# Allegro board 1156197-TDI_VU3P_QSFP28_CXP_V001_1023A-166-20241121_1644_PCB.brd (continued)
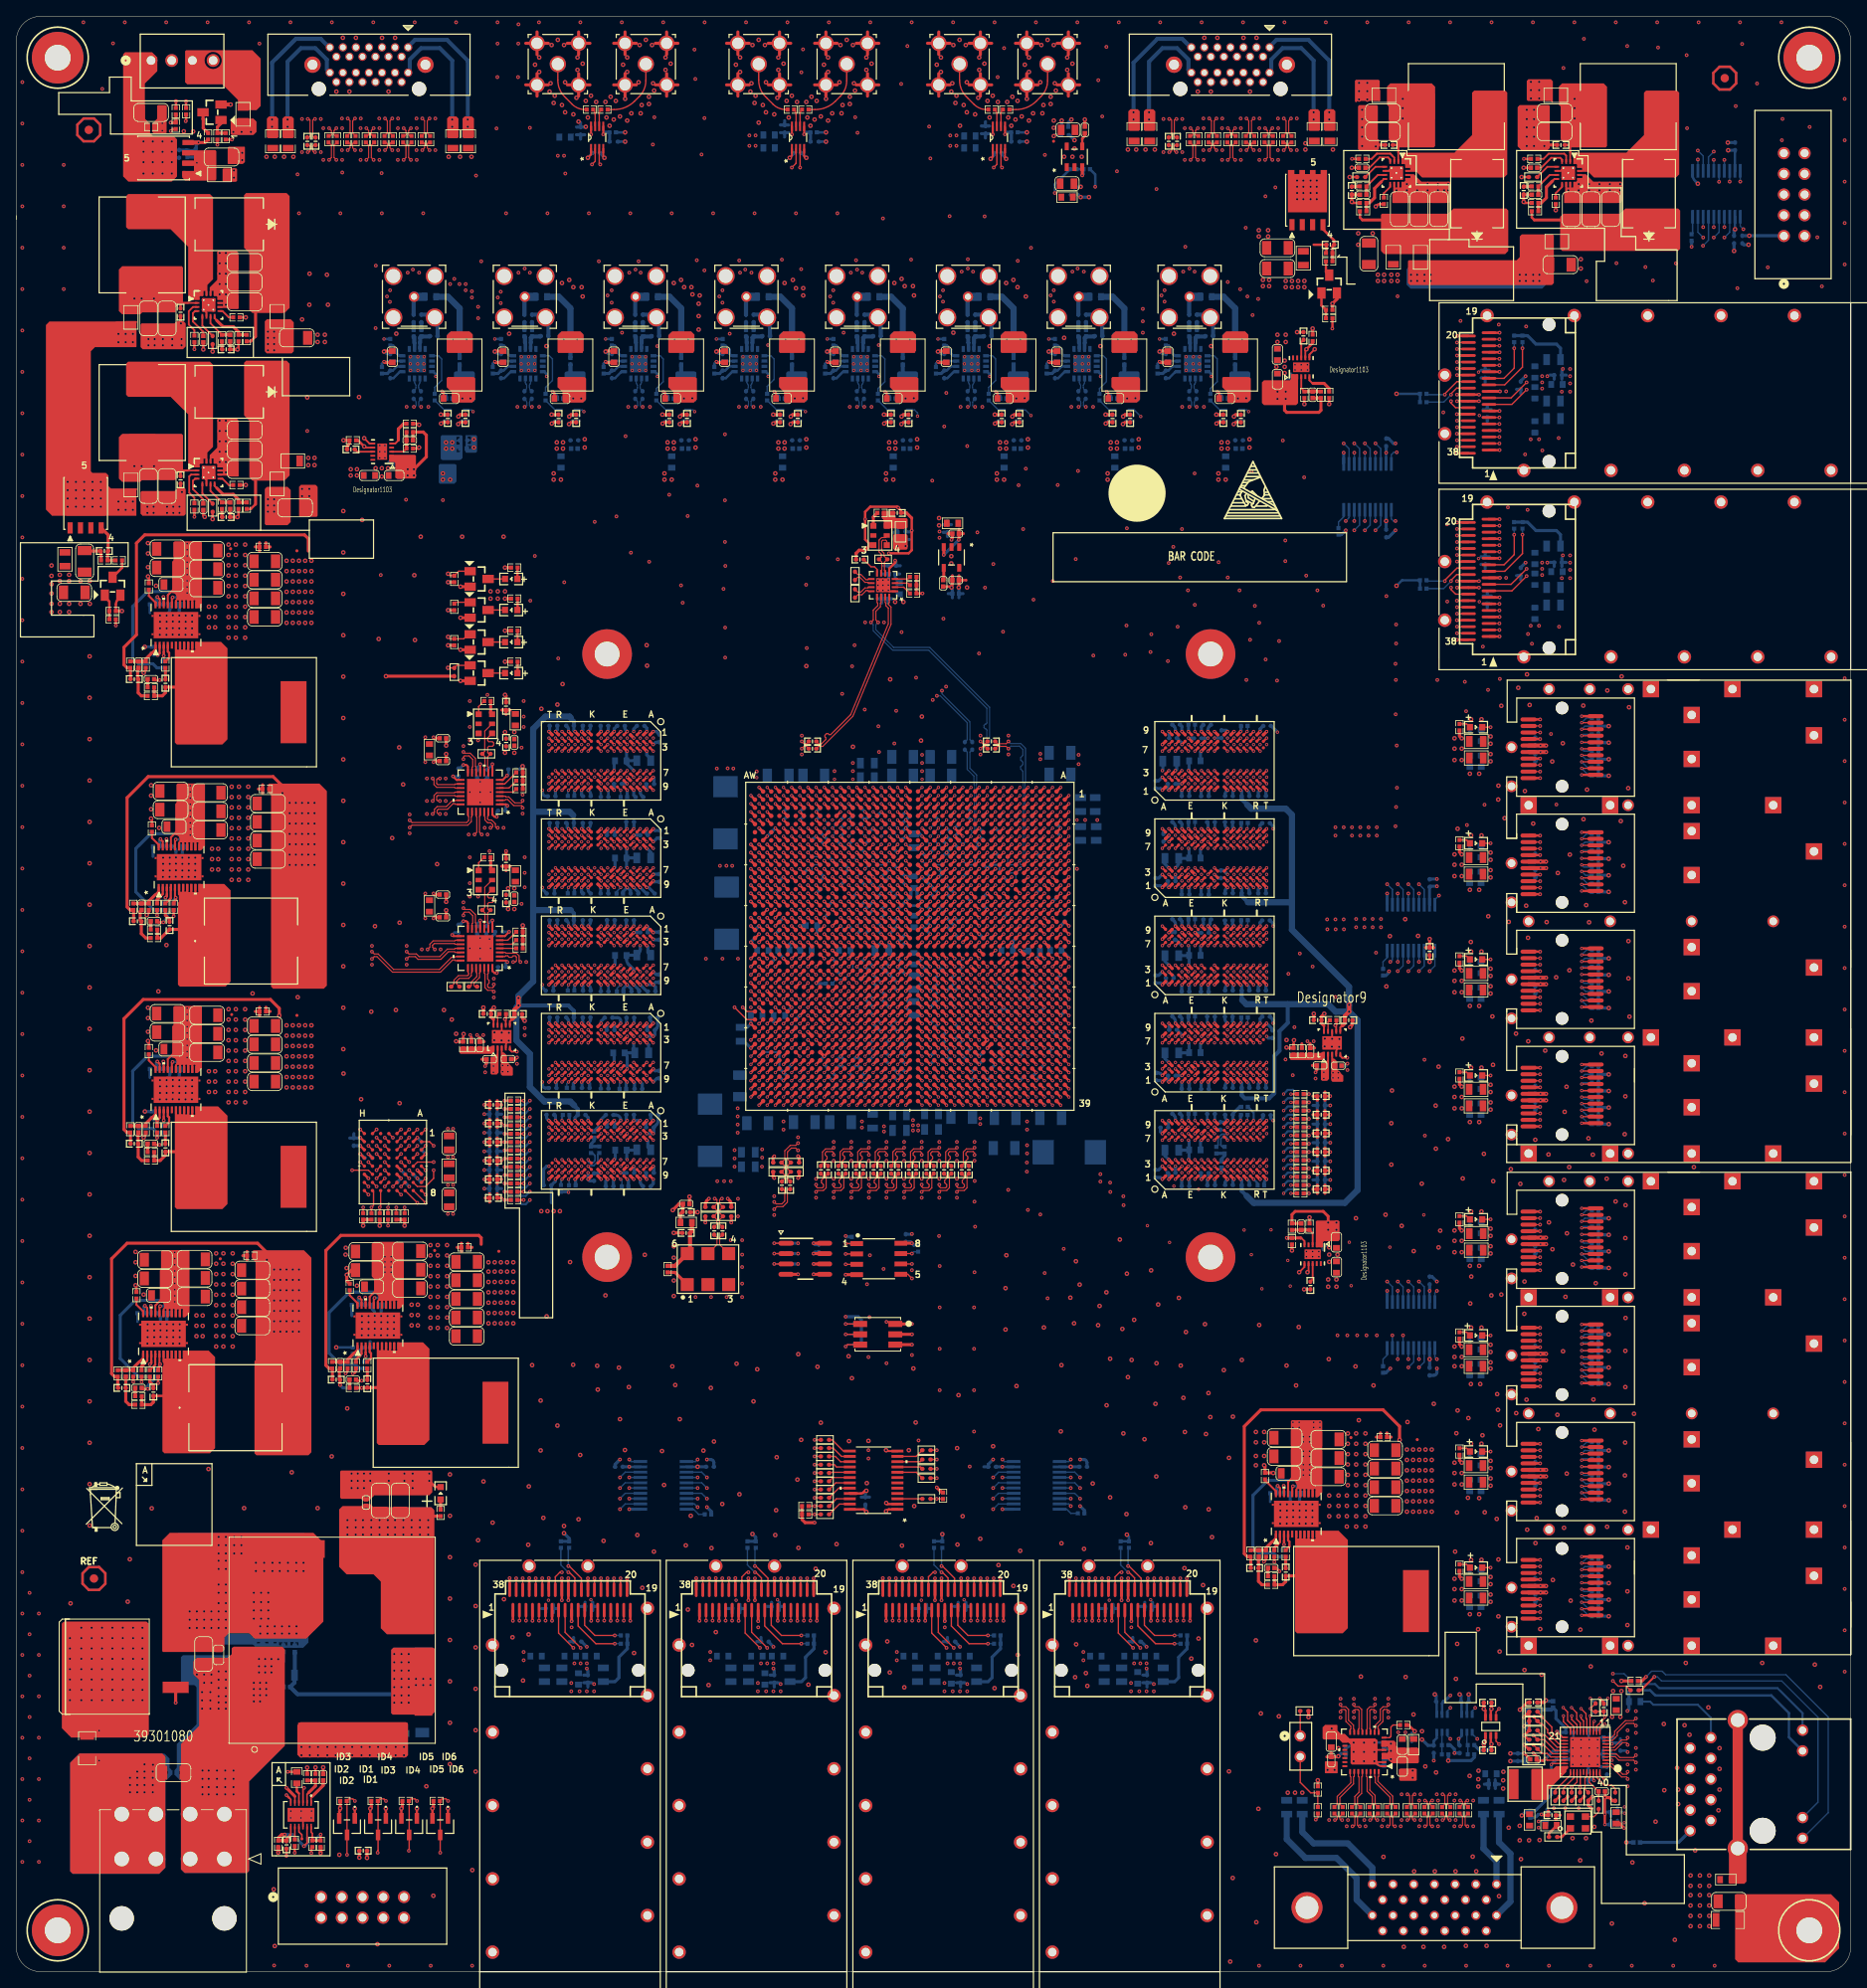
[diagram p0: board, top side]
## Routing (per net, layer and track width the routed paths; a pad name or vN(x,y) marks a point on that pad's centre or on a via; arc(x,y) is an arc through that point) (continued)
CHA_FPGA_DDR4_C2_A9: length 140.7
  TOP w0.267: U14.R7 v3(152.56,137.88) ; U1.N12 v1(117.1,134.36) ; U16.R7 v3(152.56,149.82) ; U13.R7 v3(152.56,125.94) ; U17.R7 v3(152.56,102.06) ; U15.R7 v3(152.56,114)
  ART03 w0.122: v3(152.56,102.06) 152.97,102.47 152.97,105.69 153.28,106 153.5,106 153.62,106.12 153.62,106.37 153.5,106.49 153.28,106.49 153.16,106.61 153.16,106.85 153.28,106.98 153.5,106.98 153.62,107.1 153.62,107.34 153.5,107.46 153.28,107.46 153.16,107.59 153.16,107.83 153.28,107.95 153.42,107.95 153.54,108.07 153.54,108.32 153.42,108.44 153.23,108.44 152.97,108.7 152.97,113.59 v3(152.56,114) 152.97,114.41 152.97,117.63 153.28,117.94 153.5,117.94 153.62,118.06 153.62,118.3 153.5,118.43 153.28,118.43 153.16,118.55 153.16,118.79 153.28,118.91 153.5,118.91 153.62,119.04 153.62,119.28 153.5,119.4 153.28,119.4 153.16,119.52 153.16,119.77 153.28,119.89 153.42,119.89 153.54,120.01 153.54,120.25 153.42,120.38 153.23,120.38 152.97,120.64 152.97,125.53 v3(152.56,125.94) 152.97,126.35 152.97,129.57 153.28,129.88 153.5,129.88 153.62,130 153.62,130.24 153.5,130.36 153.28,130.36 153.16,130.49 153.16,130.73 153.28,130.85 153.5,130.85 153.62,130.97 153.62,131.22 153.5,131.34 153.28,131.34 153.16,131.46 153.16,131.71 153.28,131.83 153.42,131.83 153.54,131.95 153.54,132.19 153.42,132.31 153.23,132.31 152.97,132.57 152.97,137.47 v3(152.56,137.88) 152.97,138.29 152.97,140.5 153.11,140.64 153.11,140.72 153.23,140.84 153.5,140.84 153.62,140.96 153.62,141.2 153.5,141.33 153.23,141.33 153.11,141.45 153.11,141.69 153.23,141.81 153.5,141.81 153.62,141.94 153.62,142.18 153.5,142.3 153.23,142.3 153.11,142.42 153.11,142.67 153.23,142.79 153.5,142.79 153.62,142.91 153.62,143.16 153.5,143.28 153.23,143.28 153.11,143.4 153.11,143.64 153.23,143.77 153.5,143.77 153.62,143.89 153.62,144.13 153.5,144.25 153.23,144.25 153.11,144.37 153.11,144.55 152.97,144.69 152.97,147.7 153.1,147.82 153.42,147.82 153.54,147.94 153.54,148.19 153.42,148.31 153.1,148.31 152.97,148.43 152.97,148.67 153.1,148.8 153.42,148.8 153.54,148.92 153.54,149.16 153.42,149.28 153.1,149.28 v3(152.56,149.82)
  ART07 w0.165: v3(152.56,149.82) 152.96,150.22 152.96,152.55
  ART07 w0.191: v3(155.45,103.66) 153.85,102.06 v3(152.56,102.06) ; v1(117.1,134.36) 116.98,134.36 116.61,134.72 116.61,136.5 116.23,136.88 115.8,136.88 115.6,137.08 115.6,137.59 115.29,137.9 114.81,137.9 114.55,138.15 114.55,157.35 118.06,160.86 138.73,160.86 142.11,157.48 149.91,157.48 152.96,154.43 152.96,152.55
  BOTTOM w0.267: v3(155.45,103.66) 155.96,104.17 156.6,104.17 R147.1
CHA_FPGA_DDR4_C2_A10: length 140.2
  TOP w0.267: U17.M3 v3(150.16,99.66) ; U13.M3 v3(150.16,123.54) ; U16.M3 v3(150.16,147.42) ; U15.M3 v3(150.16,111.6) ; U14.M3 v3(150.16,135.48) ; U1.J10 v1(121.1,136.36)
  ART07 w0.165: v3(150.16,147.42) 150.39,147.65 150.39,148.15 150.2,148.34 148.51,148.34 147.5,149.35 145.12,149.35 144.96,149.52 144.96,150.78 144.72,151.02 143.34,151.02
  ART07 w0.191: 143.34,151.02 143.23,151.13 140.23,151.13 139.8,151.56 131.8,151.56 131.61,151.37 131.61,147.51 131.42,147.32 131.04,147.32 130.85,147.51 130.85,151.37 130.66,151.56 129.48,151.56 129.29,151.37 129.29,147.51 129.1,147.32 128.72,147.32 128.53,147.51 128.53,151.37 128.34,151.56 127.95,151.56 127.76,151.37 127.76,147.51 127.57,147.32 127.19,147.32 127,147.51 127,151.37 126.81,151.56 126.43,151.56 126.24,151.37 126.24,147.51 126.05,147.32 125.6,147.32 124.84,146.56 122.15,146.56 121.67,146.08 121.6,146.08 121.6,137.22 121.1,136.72 v1(121.1,136.36) ; v3(150.16,99.66) 150.21,99.66 151.21,100.66 155.4,100.66 v3(155.45,100.61)
  ART12 w0.122: v3(150.16,99.66) 150.56,100.06 150.56,100.08 150.69,100.2 150.86,100.2 150.98,100.32 150.98,100.57 150.86,100.69 150.69,100.69 150.56,100.81 150.56,101.05 150.69,101.18 150.86,101.18 150.98,101.3 150.98,101.54 150.86,101.66 150.69,101.66 150.56,101.79 150.56,106.85 150.44,106.97 150.29,106.97 150.16,107.09 150.16,107.34 150.29,107.46 150.44,107.46 150.56,107.58 150.56,107.82 150.44,107.95 150.29,107.95 150.16,108.07 150.16,108.31 150.29,108.43 150.44,108.43 150.56,108.56 150.56,111.2 v3(150.16,111.6) 150.56,112 150.56,112.02 150.69,112.14 150.86,112.14 150.98,112.26 150.98,112.51 150.86,112.63 150.69,112.63 150.56,112.75 150.56,112.99 150.69,113.11 150.86,113.11 150.98,113.24 150.98,113.48 150.86,113.6 150.69,113.6 150.56,113.72 150.56,118.79 150.44,118.91 150.29,118.91 150.16,119.03 150.16,119.27 150.29,119.4 150.44,119.4 150.56,119.52 150.56,119.76 150.44,119.88 150.29,119.88 150.16,120.01 150.16,120.25 150.29,120.37 150.44,120.37 150.56,120.49 150.56,123.14 v3(150.16,123.54) 150.56,123.94 150.56,123.96 150.69,124.08 150.86,124.08 150.98,124.2 150.98,124.44 150.86,124.57 150.69,124.57 150.56,124.69 150.56,124.93 150.69,125.05 150.86,125.05 150.98,125.17 150.98,125.42 150.86,125.54 150.69,125.54 150.56,125.66 150.56,130.73 150.44,130.85 150.29,130.85 150.16,130.97 150.16,131.21 150.29,131.33 150.44,131.33 150.56,131.46 150.56,131.7 150.44,131.82 150.29,131.82 150.16,131.94 150.16,132.19 150.29,132.31 150.44,132.31 150.56,132.43 150.56,135.08 v3(150.16,135.48) 150.56,135.88 150.56,135.89 150.69,136.02 150.86,136.02 150.98,136.14 150.98,136.38 150.86,136.5 150.69,136.5 150.56,136.63 150.56,136.87 150.69,136.99 150.86,136.99 150.98,137.11 150.98,137.36 150.86,137.48 150.69,137.48 150.56,137.6 150.56,140.71 150.44,140.83 150.29,140.83 150.16,140.96 150.16,141.2 150.29,141.32 150.44,141.32 150.56,141.44 150.56,141.69 150.44,141.81 150.29,141.81 150.16,141.93 150.16,142.18 150.29,142.3 150.44,142.3 150.56,142.42 150.56,142.66 150.44,142.79 150.29,142.79 150.16,142.91 150.16,143.15 150.29,143.27 150.44,143.27 150.56,143.39 150.56,143.64 150.44,143.76 150.29,143.76 150.16,143.88 150.16,144.13 150.29,144.25 150.44,144.25 150.56,144.37 150.56,147.02 v3(150.16,147.42)
  BOTTOM w0.267: v3(155.45,100.61) 155.96,101.12 156.6,101.12 R148.1
CHA_FPGA_DDR4_C2_A11: length 135
  TOP w0.267: U17.T2 v3(153.36,98.06) ; U16.T2 v3(153.36,145.82) ; v3(156.34,98.58) R149.1 ; U13.T2 v3(153.36,121.94) ; U1.H9 v1(122.1,137.36) ; U14.T2 v3(153.36,133.88) ; U15.T2 v3(153.36,110)
  ART05 w0.122: v3(153.36,98.06) 153.76,98.46 153.76,102.35 153.89,102.47 154.21,102.47 154.33,102.59 154.33,102.83 154.21,102.96 153.89,102.96 153.76,103.08 153.76,103.32 153.89,103.44 154.21,103.44 154.33,103.57 154.33,103.81 154.21,103.93 153.89,103.93 153.76,104.05 153.76,104.67 154.03,104.93 154.03,109.34 v3(153.36,110) 153.76,110.4 153.76,114.29 153.89,114.41 154.21,114.41 154.33,114.53 154.33,114.77 154.21,114.89 153.89,114.89 153.76,115.02 153.76,115.26 153.89,115.38 154.21,115.38 154.33,115.5 154.33,115.75 154.21,115.87 153.89,115.87 153.76,115.99 153.76,116.6 154.03,116.87 154.03,121.28 v3(153.36,121.94) 153.76,122.34 153.76,126.22 153.89,126.35 154.21,126.35 154.33,126.47 154.33,126.71 154.21,126.83 153.89,126.83 153.76,126.95 153.76,127.2 153.89,127.32 154.21,127.32 154.33,127.44 154.33,127.69 154.21,127.81 153.89,127.81 153.76,127.93 153.76,128.54 154.03,128.8 154.03,133.22 v3(153.36,133.88) 153.76,134.28 153.76,135.24 153.89,135.36 154.21,135.36 154.33,135.48 154.33,135.72 154.21,135.84 153.89,135.84 153.76,135.97 153.76,136.21 153.89,136.33 154.21,136.33 154.33,136.45 154.33,136.7 154.21,136.82 153.89,136.82 153.76,136.94 153.76,137.19 153.89,137.31 154.21,137.31 154.33,137.43 154.33,137.67 154.21,137.8 153.89,137.8 153.76,137.92 153.76,138.16 153.89,138.28 154.21,138.28 154.33,138.41 154.33,138.65 154.21,138.77 153.89,138.77 153.76,138.89 153.76,139.14 153.89,139.26 154.21,139.26 154.33,139.38 154.33,139.62 154.21,139.75 153.89,139.75 153.76,139.87 153.76,140.48 154.2,140.92 154.2,144.98 v3(153.36,145.82)
  ART05 w0.191: v3(153.36,145.82) 154.35,146.8 154.35,147.07 153.92,147.5 153.92,147.77 154.19,148.04 154.46,148.04 154.89,147.61 155.16,147.61 155.43,147.88 155.43,148.15 155,148.58 155,148.85 155.27,149.12 155.54,149.12 155.97,148.69 156.24,148.69 156.49,148.94 156.49,154 153.16,157.33 144.86,157.33 142.14,160.05 132.72,160.05 127.13,154.46 127.13,148.97 125.6,147.45 122.68,147.45 121.59,146.35 121.59,137.87 v1(122.1,137.36)
  ART07 w0.191: v3(156.34,98.58) 155.82,98.06 v3(153.36,98.06)
CHA_FPGA_DDR4_C2_A12: length 141.7
  TOP w0.267: U1.M9 v1(118.1,137.36) ; v3(156.34,103.66) R150.1 ; U13.M7 v3(150.16,125.94) ; U14.M7 v3(150.16,137.88) ; U15.M7 v3(150.16,114) ; U16.M7 v3(150.16,149.82) ; U17.M7 v3(150.16,102.06)
  ART03 w0.122: v3(150.16,102.06) 149.75,102.47 149.75,104.65 149.5,104.9 149.5,104.95 149.38,105.08 149.27,105.08 149.15,105.2 149.15,105.44 149.27,105.56 149.38,105.56 149.5,105.69 149.5,105.93 149.38,106.05 149.24,106.05 149.12,106.17 149.12,106.42 149.24,106.54 149.38,106.54 149.5,106.66 149.5,106.9 149.38,107.03 149.24,107.03 149.12,107.15 149.12,107.39 149.24,107.51 149.38,107.51 149.5,107.64 149.5,107.88 149.38,108 149.24,108 149.12,108.12 149.12,108.37 149.24,108.49 149.38,108.49 149.5,108.61 149.5,108.72 149.75,108.97 149.75,113.59 v3(150.16,114) 149.75,114.41 149.75,116.59 149.5,116.84 149.5,116.89 149.38,117.01 149.27,117.01 149.15,117.14 149.15,117.38 149.27,117.5 149.38,117.5 149.5,117.62 149.5,117.87 149.38,117.99 149.24,117.99 149.12,118.11 149.12,118.35 149.24,118.48 149.38,118.48 149.5,118.6 149.5,118.84 149.38,118.96 149.24,118.96 149.12,119.09 149.12,119.33 149.24,119.45 149.38,119.45 149.5,119.57 149.5,119.82 149.38,119.94 149.24,119.94 149.12,120.06 149.12,120.31 149.24,120.43 149.38,120.43 149.5,120.55 149.5,120.66 149.75,120.9 149.75,125.53 v3(150.16,125.94) 149.75,126.35 149.75,128.53 149.5,128.78 149.5,128.83 149.38,128.95 149.27,128.95 149.15,129.07 149.15,129.32 149.27,129.44 149.38,129.44 149.5,129.56 149.5,129.8 149.38,129.93 149.24,129.93 149.12,130.05 149.12,130.29 149.24,130.41 149.38,130.41 149.5,130.54 149.5,130.78 149.38,130.9 149.24,130.9 149.12,131.02 149.12,131.27 149.24,131.39 149.38,131.39 149.5,131.51 149.5,131.76 149.38,131.88 149.24,131.88 149.12,132 149.12,132.24 149.24,132.37 149.38,132.37 149.5,132.49 149.5,132.59 149.75,132.84 149.75,137.47 v3(150.16,137.88) 149.75,138.29 149.75,140.47 149.5,140.72 149.5,140.77 149.38,140.89 149.17,140.89 149.05,141.01 149.05,141.26 149.17,141.38 149.38,141.38 149.5,141.5 149.5,141.74 149.38,141.86 149.07,141.86 148.95,141.99 148.95,142.21 149.09,142.35 149.38,142.35 149.5,142.47 149.5,142.72 149.38,142.84 149.07,142.84 148.95,142.96 148.95,143.18 149.09,143.33 149.38,143.33 149.5,143.45 149.5,143.69 149.38,143.82 149.07,143.82 148.95,143.94 148.95,144.16 149.09,144.3 149.38,144.3 149.5,144.43 149.5,144.53 149.75,144.78 149.75,148.34 149.88,148.47 150.12,148.47 150.24,148.59 150.24,148.83 150.12,148.95 149.88,148.95 149.75,149.07 149.75,149.41 v3(150.16,149.82)
  ART07 w0.165: 149.76,152.55 U16.M7 v3(150.16,149.82)
  ART07 w0.191: 149.76,152.55 149.76,154.58 149.02,155.32 134.96,155.32 134.77,155.51 134.77,156.78 134.58,156.97 134.2,156.97 134.01,156.78 134.01,155.51 133.82,155.32 133.44,155.32 133.25,155.51 133.25,158.31 133.06,158.5 132.68,158.5 132.48,158.31 132.48,155.51 132.29,155.32 131.91,155.32 131.72,155.51 131.72,158.31 131.53,158.5 118.62,158.5 116.71,156.59 116.71,146.94 117.6,146.05 117.6,137.55 117.79,137.36 v1(118.1,137.36)
  ART14 w0.191: v3(156.34,103.66) 155.8,103.12 155.12,103.12 153.59,101.6 150.62,101.6 150.16,102.06 v3(150.16,102.06)
CHA_FPGA_DDR4_C2_A13: length 136.8
  TOP w0.267: U13.T8 v3(153.36,127.54) ; U16.T8 v3(153.36,151.42) ; U17.T8 v3(153.36,103.66) ; U14.T8 v3(153.36,139.48) ; U15.T8 v3(153.36,115.6) ; U1.M12 v1(118.1,134.36)
  ART07 w0.191: v3(155.45,104.67) 155.09,104.67 154.08,103.66 v3(153.36,103.66)
  ART12 w0.191: v3(153.36,151.42) 153.62,151.67 arc(153.73,151.84) 153.77,152.04 153.77,152.63 arc(153.7,153.05) 153.5,153.42 arc(153.45,153.48) 153.4,153.54 149.26,157.68 arc(148.94,157.89) 148.57,157.96 146.4,157.96 arc(145.74,158.05) 145.12,158.29 142.55,159.73 arc(142.25,159.85) 141.93,159.89 119.66,159.89 113.79,154.03 arc(112.91,152.71) 112.6,151.15 112.6,141.22 112.97,140.86 113.24,140.86 113.6,140.5 113.6,137.15 113.89,136.86 114.27,136.86 114.6,136.53 114.6,136.1 114.84,135.86 115.27,135.86 115.6,135.53 115.6,135.16 115.9,134.86 117.04,134.86 arc(117.56,134.75) 117.99,134.46 v1(118.1,134.36)
  ART16 w0.122: v3(153.36,151.42) 153.76,151.02 153.76,149.19 153.54,148.97 153.54,148.7 153.76,148.48 153.76,144.38 153.89,144.26 154.13,144.26 154.25,144.14 154.25,143.9 154.13,143.77 153.89,143.77 153.76,143.65 153.76,143.41 153.89,143.29 154.13,143.29 154.25,143.17 154.25,142.92 154.13,142.8 153.89,142.8 153.76,142.68 153.76,142.43 153.89,142.31 154.13,142.31 154.25,142.19 154.25,141.95 154.13,141.82 153.89,141.82 153.76,141.7 153.76,141.46 153.89,141.34 154.13,141.34 154.25,141.21 154.25,140.97 154.13,140.85 153.89,140.85 153.76,140.73 153.76,139.88 v3(153.36,139.48) 153.76,139.08 153.76,137.25 153.54,137.03 153.54,136.76 153.76,136.54 153.76,132.45 153.89,132.32 154.13,132.32 154.25,132.2 154.25,131.96 154.13,131.84 154.04,131.84 153.92,131.71 153.92,131.47 154.04,131.35 154.13,131.35 154.25,131.23 154.25,130.98 154.13,130.86 154.04,130.86 153.92,130.74 153.92,130.5 154.04,130.37 154.13,130.37 154.25,130.25 154.25,130.01 154.13,129.89 154.04,129.89 153.92,129.76 153.92,129.52 154.04,129.4 154.13,129.4 154.25,129.28 154.25,129.03 154.13,128.91 153.89,128.91 153.76,128.79 153.76,127.94 v3(153.36,127.54) 153.76,127.14 153.76,125.31 153.54,125.09 153.54,124.83 153.76,124.6 153.76,120.51 153.89,120.39 154.13,120.39 154.25,120.26 154.25,120.02 154.13,119.9 154.04,119.9 153.92,119.78 153.92,119.53 154.04,119.41 154.13,119.41 154.25,119.29 154.25,119.05 154.13,118.92 154.04,118.92 153.92,118.8 153.92,118.56 154.04,118.44 154.13,118.44 154.25,118.31 154.25,118.07 154.13,117.95 154.04,117.95 153.92,117.83 153.92,117.58 154.04,117.46 154.13,117.46 154.25,117.34 154.25,117.09 154.13,116.97 153.89,116.97 153.76,116.85 153.76,116 v3(153.36,115.6) 153.76,115.2 153.76,113.38 153.54,113.15 153.54,112.89 153.76,112.67 153.76,108.57 153.89,108.45 154.13,108.45 154.25,108.33 154.25,108.08 154.13,107.96 154.04,107.96 153.92,107.84 153.92,107.59 154.04,107.47 154.13,107.47 154.25,107.35 154.25,107.11 154.13,106.99 154.04,106.99 153.92,106.86 153.92,106.62 154.04,106.5 154.13,106.5 154.25,106.38 154.25,106.13 154.13,106.01 154.04,106.01 153.92,105.89 153.92,105.64 154.04,105.52 154.13,105.52 154.25,105.4 154.25,105.16 154.13,105.03 153.89,105.03 153.76,104.91 153.76,104.06 v3(153.36,103.66)
  BOTTOM w0.267: R151.1 156.6,105.18 155.96,105.18 v3(155.45,104.67)
CHA_FPGA_DDR4_C2_ACT: length 139
  TOP w0.267: U16.L3 v3(149.36,147.42) ; U13.L3 v3(149.36,123.54) ; U15.L3 v3(149.36,111.6) ; v3(156.34,102.64) R165.1 ; U17.L3 v3(149.36,99.66) ; U14.L3 v3(149.36,135.48) ; v1(126.1,133.36) 126.1,133.36 U1.C13
  ART05 w0.191: v3(149.36,147.42) 149.36,149.11 149.61,149.35 149.94,149.35 150.13,149.16 150.13,148.76 150.32,148.56 150.7,148.56 150.89,148.76 150.89,149.16 151.08,149.35 151.46,149.35 151.66,149.16 151.66,148.76 151.85,148.56 152.23,148.56 152.42,148.76 152.42,149.16 152.61,149.35 152.93,149.35 154.13,150.55 154.13,152.57 153.94,152.76 153.54,152.76 153.35,152.95 153.35,153.05 153.16,153.24 152.78,153.24 152.59,153.05 152.59,152.95 152.4,152.76 152.01,152.76 151.82,152.95 151.82,153.05 151.63,153.24 151.25,153.24 151.06,153.05 151.06,152.95 150.87,152.76 150.49,152.76 150.3,152.95 150.3,153.05 150.11,153.24 149.73,153.24 149.54,153.05 149.54,152.95 149.35,152.76 148.82,152.76 148.67,152.91 148.67,153.37 147.87,154.17 142.51,154.17 142.32,154.36 142.32,157.1 141.55,157.86 134.14,157.86 129.03,152.76 129.03,148.08 126.62,145.67 126.62,141.17 126.29,140.84 125.77,140.84 125.6,140.68 125.6,140.08 125.35,139.83 124.71,139.83 124.59,139.7 124.59,139.19 124.21,138.81 123.83,138.81 123.57,138.56 123.57,134.05 123.76,133.86 125.6,133.86 126.1,133.36 v1(126.1,133.36)
  ART07 w0.191: v3(149.36,99.66) 149.36,99.71 149.73,100.08 149.73,100.65 150.13,101.04 154.25,101.04 155.32,102.11 155.8,102.11 v3(156.34,102.64)
  ART12 w0.122: v3(149.36,147.42) 149.76,147.02 149.76,144.4 149.64,144.27 149.45,144.27 149.33,144.15 149.33,143.91 149.45,143.79 149.64,143.79 149.76,143.66 149.76,143.42 149.64,143.3 149.45,143.3 149.33,143.18 149.33,142.93 149.45,142.81 149.64,142.81 149.76,142.69 149.76,142.45 149.64,142.32 149.45,142.32 149.33,142.2 149.33,141.96 149.45,141.84 149.64,141.84 149.76,141.71 149.76,141.47 149.64,141.35 149.45,141.35 149.33,141.23 149.33,140.98 149.45,140.86 149.64,140.86 149.76,140.74 149.76,135.88 v3(149.36,135.48) 149.76,135.08 149.76,132.46 149.64,132.34 149.5,132.34 149.38,132.21 149.38,131.97 149.5,131.85 149.64,131.85 149.76,131.73 149.76,131.48 149.64,131.36 149.5,131.36 149.38,131.24 149.38,131 149.5,130.87 149.64,130.87 149.76,130.75 149.76,130.51 149.64,130.39 149.5,130.39 149.38,130.26 149.38,130.02 149.5,129.9 149.64,129.9 149.76,129.78 149.76,129.53 149.64,129.41 149.5,129.41 149.38,129.29 149.38,129.04 149.5,128.92 149.64,128.92 149.76,128.8 149.76,123.94 v3(149.36,123.54) 149.76,123.14 149.76,120.52 149.64,120.4 149.5,120.4 149.38,120.28 149.38,120.03 149.5,119.91 149.64,119.91 149.76,119.79 149.76,119.55 149.64,119.42 149.5,119.42 149.38,119.3 149.38,119.06 149.5,118.94 149.64,118.94 149.76,118.81 149.76,118.57 149.64,118.45 149.5,118.45 149.38,118.33 149.38,118.08 149.5,117.96 149.64,117.96 149.76,117.84 149.76,117.59 149.64,117.47 149.5,117.47 149.38,117.35 149.38,117.11 149.5,116.98 149.64,116.98 149.76,116.86 149.76,112 v3(149.36,111.6) 149.76,111.2 149.76,108.58 149.64,108.46 149.5,108.46 149.38,108.34 149.38,108.09 149.5,107.97 149.64,107.97 149.76,107.85 149.76,107.61 149.64,107.49 149.5,107.49 149.38,107.36 149.38,107.12 149.5,107 149.64,107 149.76,106.88 149.76,106.63 149.64,106.51 149.5,106.51 149.38,106.39 149.38,106.14 149.5,106.02 149.64,106.02 149.76,105.9 149.76,105.66 149.64,105.53 149.5,105.53 149.38,105.41 149.38,105.17 149.5,105.05 149.64,105.05 149.76,104.92 149.76,100.06 v3(149.36,99.66)
CHA_FPGA_DDR4_C2_ALERT: length 148.5
  TOP w0.267: v1(126.1,129.36) 126.1,129.36 U1.C17 ; R135.2 v3(156.34,106.71) ; U16.P9 v3(151.76,152.22) ; U17.P9 v3(151.76,104.46) ; U14.P9 v3(151.76,140.28) ; U15.P9 v3(151.76,116.4) ; U13.P9 v3(151.76,128.34)
  ART03 w0.122: v3(151.76,104.46) 152.17,104.87 152.17,105.15 152.4,105.38 152.4,105.66 152.17,105.88 152.17,106.13 152.3,106.25 152.53,106.25 152.65,106.37 152.65,106.62 152.53,106.74 152.3,106.74 152.17,106.86 152.17,107.1 152.3,107.23 152.53,107.23 152.65,107.35 152.65,107.59 152.53,107.71 152.3,107.71 152.17,107.84 152.17,108.08 152.3,108.2 152.46,108.2 152.58,108.32 152.58,108.57 152.46,108.69 152.3,108.69 152.17,108.81 152.17,115.99 v3(151.76,116.4) 152.17,116.81 152.17,117.09 152.4,117.32 152.4,117.6 152.17,117.82 152.17,118.07 152.3,118.19 152.46,118.19 152.58,118.31 152.58,118.55 152.46,118.68 152.3,118.68 152.17,118.8 152.17,119.04 152.3,119.16 152.46,119.16 152.58,119.29 152.58,119.53 152.46,119.65 152.3,119.65 152.17,119.77 152.17,120.02 152.3,120.14 152.46,120.14 152.58,120.26 152.58,120.51 152.46,120.63 152.3,120.63 152.17,120.75 152.17,127.93 v3(151.76,128.34) 152.17,128.75 152.17,129.03 152.3,129.15 152.46,129.15 152.58,129.27 152.58,129.52 152.46,129.64 152.3,129.64 152.17,129.76 152.17,130 152.3,130.13 152.46,130.13 152.58,130.25 152.58,130.49 152.46,130.61 152.3,130.61 152.17,130.74 152.17,130.98 152.3,131.1 152.46,131.1 152.58,131.22 152.58,131.47 152.46,131.59 152.3,131.59 152.17,131.71 152.17,131.96 152.3,132.08 152.46,132.08 152.58,132.2 152.58,132.44 152.46,132.57 152.3,132.57 152.17,132.69 152.17,139.87 v3(151.76,140.28) 152.17,140.69 152.17,140.97 152.3,141.09 152.53,141.09 152.65,141.21 152.65,141.46 152.53,141.58 152.3,141.58 152.17,141.7 152.17,141.94 152.3,142.06 152.53,142.06 152.65,142.19 152.65,142.43 152.53,142.55 152.3,142.55 152.17,142.67 152.17,142.92 152.3,143.04 152.53,143.04 152.65,143.16 152.65,143.41 152.53,143.53 152.3,143.53 152.17,143.65 152.17,143.89 152.3,144.02 152.53,144.02 152.65,144.14 152.65,144.38 152.53,144.5 152.3,144.5 152.17,144.63 152.17,147.85 152.05,147.97 151.91,147.97 151.79,148.09 151.79,148.33 151.91,148.46 152.46,148.46 152.58,148.58 152.58,148.82 152.46,148.94 151.91,148.94 151.79,149.07 151.79,149.31 151.91,149.43 152.05,149.43 152.17,149.55 152.17,151.81 v3(151.76,152.22)
  ART07 w0.165: 152.18,149.56 152.17,149.56 152.17,151.81 v3(151.76,152.22)
  ART07 w0.191: v1(126.1,129.36) 125.65,128.91 123.76,128.91 123.57,129.1 123.57,133.48 123.95,133.86 125.35,133.86 125.6,134.11 125.6,134.49 125.86,134.75 125.87,134.75 125.99,134.87 127.25,134.87 127.64,135.25 127.64,136.65 127.89,136.91 129.41,136.91 130.43,137.92 130.81,137.92 135.38,142.49 140.21,142.49 140.72,143 143.26,143 143.51,142.75 143.51,141.99 144.65,140.84 156.08,140.84 156.84,141.6 156.84,148.67 156.65,148.86 155.77,148.86 155.57,149.05 155.57,149.44 155.77,149.63 156.65,149.63 156.84,149.82 156.84,150.2 156.65,150.39 155.77,150.39 155.57,150.58 155.57,150.96 155.77,151.15 156.65,151.15 156.84,151.34 156.84,151.72 156.65,151.91 155.77,151.91 155.57,152.1 155.57,152.48 155.77,152.67 156.65,152.67 156.84,152.86 156.84,153.16 156.59,153.42 154.31,153.42 153.8,152.91 153.8,149.35 153.54,149.1 152.37,149.1 152.18,149.29 152.18,149.56 ; v3(156.34,106.71) 155.8,106.17 152.7,106.17 151.76,105.23 v3(151.76,104.46)
  BOTTOM w0.267: v3(151.76,104.46) 151.76,105.43 R136.2
CHA_FPGA_DDR4_C2_BA0: length 141.8
  TOP w0.267: U14.N2 v3(150.96,133.88) ; U15.N2 v3(150.96,110) ; v3(156.34,96.55) R152.1 ; U1.H11 v1(122.1,135.36) ; U16.N2 v3(150.96,145.82) ; U17.N2 v3(150.96,98.06) ; U13.N2 v3(150.96,121.94)
  ART05 w0.122: v3(150.96,98.06) U17.N2 150.56,106.6 150.34,106.82 150.34,107.09 150.46,107.21 150.86,107.21 150.98,107.33 150.98,107.58 150.86,107.7 150.33,107.7 150.21,107.82 150.21,108.04 150.36,108.19 150.86,108.19 150.98,108.31 150.98,108.55 150.86,108.67 150.69,108.67 150.56,108.8 150.56,109.6 v3(150.96,110) U15.N2 150.56,118.54 150.34,118.76 150.34,119.03 150.46,119.15 150.86,119.15 150.98,119.27 150.98,119.52 150.86,119.64 150.33,119.64 150.21,119.76 150.21,119.98 150.36,120.13 150.86,120.13 150.98,120.25 150.98,120.49 150.86,120.61 150.69,120.61 150.56,120.73 150.56,121.54 v3(150.96,121.94) U13.N2 150.56,130.48 150.34,130.7 150.34,130.97 150.46,131.09 150.86,131.09 150.98,131.21 150.98,131.45 150.86,131.58 150.33,131.58 150.21,131.7 150.21,131.92 150.36,132.06 150.86,132.06 150.98,132.19 150.98,132.43 150.86,132.55 150.69,132.55 150.56,132.67 150.56,133.48 v3(150.96,133.88) U14.N2 150.56,140.51 150.32,140.76 150.32,140.95 150.44,141.08 150.86,141.08 150.98,141.2 150.98,141.44 150.86,141.56 150.33,141.56 150.21,141.68 150.21,141.9 150.36,142.05 150.86,142.05 150.98,142.17 150.98,142.42 150.86,142.54 150.33,142.54 150.21,142.66 150.21,142.9 150.33,143.03 150.86,143.03 150.98,143.15 150.98,143.39 150.86,143.51 150.33,143.51 150.21,143.64 150.21,143.85 150.36,144 150.86,144 150.98,144.12 150.98,144.37 150.86,144.49 150.69,144.49 150.56,144.61 150.56,145.41 v3(150.96,145.82)
  ART07 w0.165: 142.62,146.21 147.62,146.21 147.8,146.02 147.8,145.63 148.02,145.41 150.77,145.41 150.96,145.61 v3(150.96,145.82)
  ART07 w0.191: 142.62,146.21 142.59,146.18 139.94,146.18 139.75,146.37 139.75,147.66 139.94,147.85 143.19,147.85 143.38,148.04 143.38,148.42 143.19,148.61 139.94,148.61 139.65,148.9 139.65,149.54 139.46,149.73 139.18,149.73 138.99,149.54 138.99,146.11 138.8,145.92 138.42,145.92 138.23,146.11 138.23,149.92 138.03,150.11 137.65,150.11 137.46,149.92 137.46,146.11 137.27,145.92 130.94,145.92 130.75,145.73 130.75,142.18 130.56,141.99 130.18,141.99 129.99,142.18 129.99,145.73 129.8,145.92 129.5,145.92 129.31,145.73 129.31,145.1 129.12,144.91 128.73,144.91 128.54,145.1 128.54,145.73 128.35,145.92 125.98,145.92 125.6,145.54 125.6,136.14 125.35,135.89 123.83,135.89 123.57,135.64 123.57,135.13 123.32,134.87 122.58,134.87 v1(122.1,135.36)
  ART14 w0.165: 151.49,96.93 151.36,97.05 151.36,97.67 v3(150.96,98.06)
  ART14 w0.191: v3(156.34,96.55) 155.85,97.03 154.94,97.03 154.69,96.77 151.64,96.77 151.49,96.93
CHA_FPGA_DDR4_C2_BA1: length 140.2
  TOP w0.267: U16.N8 v3(150.96,151.42) ; U17.N8 v3(150.96,103.66) ; U1.K12 v1(120.1,134.36) ; U15.N8 v3(150.96,115.6) ; U14.N8 v3(150.96,139.48) ; U13.N8 v3(150.96,127.54)
  ART07 w0.165: 151.36,104.67 151.36,104.06 v3(150.96,103.66)
  ART07 w0.191: 151.36,104.67 151.36,105.52 152.55,106.71 v3(155.45,106.71)
  ART12 w0.165: 150.56,152.43 150.56,151.82 v3(150.96,151.42)
  ART12 w0.191: v1(120.1,134.36) 119.63,134.82 119.63,135.51 119.29,135.86 118.91,135.86 118.54,136.22 118.54,136.54 118.23,136.86 117.91,136.86 117.6,137.16 117.6,140.51 117.27,140.84 116.92,140.84 116.59,141.17 116.59,145.59 116.23,145.95 116.23,152.78 118.57,155.12 127.39,155.12 127.58,155.31 127.58,157.29 127.77,157.48 128.15,157.48 128.35,157.29 128.35,155.31 128.54,155.12 128.92,155.12 129.11,155.31 129.11,157.29 129.3,157.48 129.68,157.48 129.87,157.29 129.87,155.31 130.06,155.12 130.44,155.12 130.63,155.31 130.63,157.29 130.82,157.48 141.1,157.48 143.26,155.32 148.11,155.32 150.56,152.87 150.56,152.43
  ART16 w0.122: v3(150.96,151.42) 151.36,151.02 151.36,144.39 151.24,144.27 151.07,144.27 150.95,144.15 150.95,143.9 151.07,143.78 151.39,143.78 151.52,143.66 151.52,143.42 151.39,143.29 151.07,143.29 150.95,143.17 150.95,142.93 151.07,142.81 151.39,142.81 151.52,142.68 151.52,142.44 151.39,142.32 151.07,142.32 150.95,142.2 150.95,141.95 151.07,141.83 151.39,141.83 151.52,141.71 151.52,141.47 151.39,141.34 151.07,141.34 150.95,141.22 150.95,140.98 151.07,140.86 151.24,140.86 151.36,140.73 151.36,139.88 v3(150.96,139.48) 151.36,139.08 151.36,132.45 151.09,132.18 151.09,131.97 151.21,131.84 151.39,131.84 151.52,131.72 151.52,131.48 151.39,131.36 151.24,131.36 151.09,131.2 151.09,130.99 151.21,130.87 151.39,130.87 151.52,130.75 151.52,130.5 151.39,130.38 151.24,130.38 151.09,130.23 151.09,130.01 151.21,129.89 151.39,129.89 151.52,129.77 151.52,129.53 151.39,129.41 151.24,129.41 151.09,129.25 151.09,129.04 151.21,128.92 151.24,128.92 151.36,128.8 151.36,127.94 v3(150.96,127.54) 151.36,127.14 151.36,120.52 151.09,120.24 151.09,120.03 151.21,119.91 151.39,119.91 151.52,119.78 151.52,119.54 151.39,119.42 151.24,119.42 151.09,119.26 151.09,119.05 151.21,118.93 151.39,118.93 151.52,118.81 151.52,118.56 151.39,118.44 151.24,118.44 151.09,118.29 151.09,118.08 151.21,117.95 151.39,117.95 151.52,117.83 151.52,117.59 151.39,117.47 151.24,117.47 151.09,117.31 151.09,117.1 151.21,116.98 151.24,116.98 151.36,116.86 151.36,116 v3(150.96,115.6) 151.36,115.2 151.36,108.58 151.09,108.3 151.09,108.09 151.21,107.97 151.39,107.97 151.52,107.85 151.52,107.6 151.39,107.48 151.24,107.48 151.09,107.32 151.09,107.11 151.21,106.99 151.39,106.99 151.52,106.87 151.52,106.63 151.39,106.5 151.24,106.5 151.09,106.35 151.09,106.14 151.21,106.02 151.39,106.02 151.52,105.89 151.52,105.65 151.39,105.53 151.24,105.53 151.09,105.37 151.09,105.16 151.21,105.04 151.24,105.04 151.36,104.92 151.36,104.06 v3(150.96,103.66)